# Altium PCB DSP_FPGA.PcbDoc (part 4 of 7) (continued)
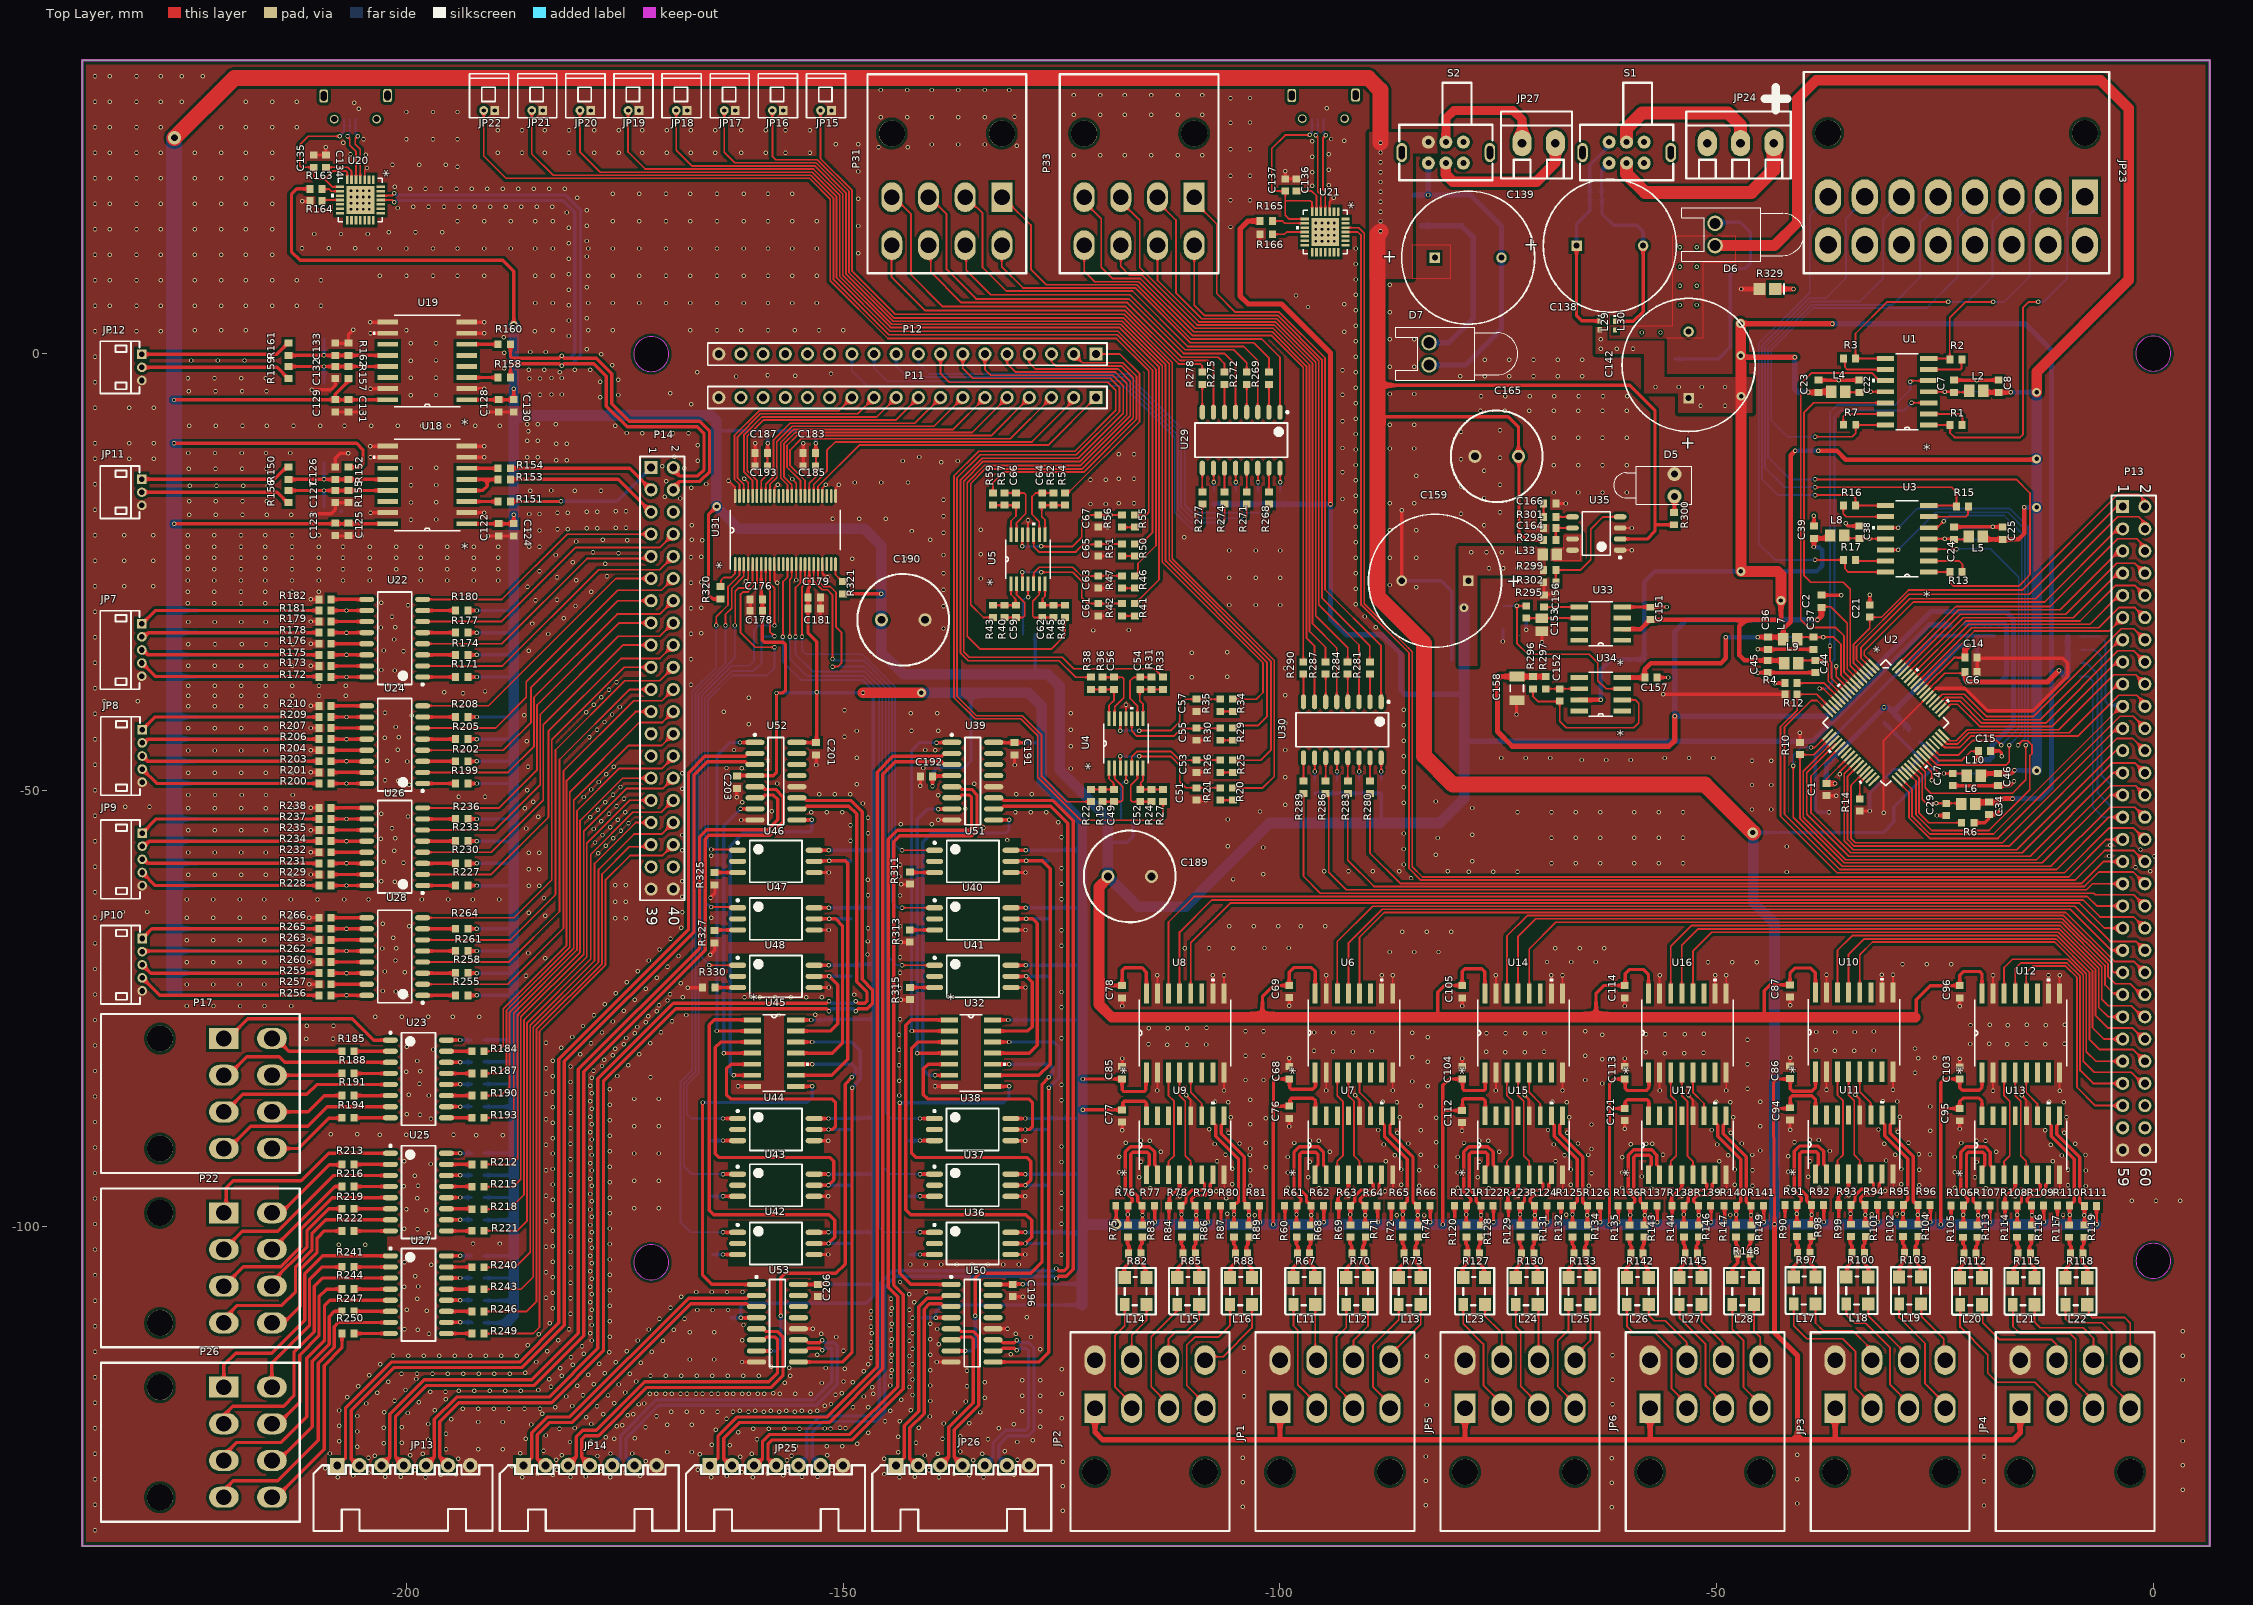
[diagram p0: Top Layer view]
## Nets (pads, with @x,y where several pads share a name; then routed paths per layer and width w, separated by ;. In a path a pad name is that pad's centre, name@x,y a point inside that pad or via, vN(x,y) a via of type N, cw(c..) or ccw(c..) an arc to the next point about the centre after c; other vN are vias at no path point) (continued)
-202.895,-52.705 -176.835,-52.705 -174.981,-52.527 -153.682,-52.525 -151.912,-52.525 -150.142,-52.525 -130.291,-52.525 -128.521,-52.525 -126.751,-52.525 -72.796,-52.502 -68.91,-52.502 -66.116,-52.502 -63.322,-52.502 -59.436,-52.502 -56.642,-52.502 -53.848,-52.502 -102.286,-52.438 -158.214,-52.419 -178.105,-52.222 -45.949,-52.197 -43.764,-52.197 -136.039,-52.13 -225.019,-52.045 -221.971,-52.045 -218.923,-52.045 -216.129,-52.045 -213.081,-52.045 -186.487,-52.045 -77.978,-52.032 -232.232,-51.867 -229.438,-51.867 -175.971,-51.841 -99.39,-51.638 -147.779,-51.512 -85.841,-51.416 -177.241,-51.359 -161.565,-51.366 -185.496,-51.308 -82.156,-51.283 -175.108,-50.978 -179.73,-50.775 -194.056,-50.749 -191.033,-50.749 -139.14,-50.585 -224.993,-50.546 -221.945,-50.546 -218.897,-50.546 -216.103,-50.546 -213.055,-50.546 -176.378,-50.495 -152.752,-50.473 -150.982,-50.473 -149.212,-50.473 -130.21,-50.473 -128.44,-50.473 -235.687,-50.013 -186.182,-50.013 -178.867,-49.911 -168.432,-49.807 -85.841,-49.646 -175.514,-49.632 -45.949,-49.403 -43.764,-49.403 -199.682,-49.352 -148.476,-49.314 -135.026,-49.266 -157.558,-49.228 -178.003,-49.047 -200.952,-48.895 -202.476,-48.844 -99.39,-48.514 -177.14,-48.184 -168.432,-48.037 -225.019,-47.981 -221.971,-47.981 -218.923,-47.981 -216.129,-47.981 -213.081,-47.981 -85.841,-47.876 -161.61,-47.488 -123.977,-47.509 -163.38,-47.445 -140.837,-47.445 -186.106,-47.32 -176.276,-47.32 -235.687,-47.092 -199.936,-46.711 -158.63,-46.624 -202.222,-46.609 -45.949,-46.609 -43.764,-46.609 -65.43,-46.533 -62.636,-46.533 -59.842,-46.533 -74.651,-46.304 -71.857,-46.304 -69.063,-46.304 -55.956,-46.304 -53.162,-46.304 -50.368,-46.304 -148.476,-46.266 -85.841,-46.106 -225.019,-45.441 -221.971,-45.441 -218.923,-45.441 -216.129,-45.441 -213.081,-45.441 -139.471,-45.428 -162.521,-45.393 -140.6,-45.393 -99.39,-45.39 -201.003,-45.352 -123.977,-44.957 -186.258,-44.374 -85.841,-44.336 -235.687,-44.171 -202.527,-43.98 -200.901,-43.929 -179.07,-43.917 -149.86,-43.866 -148.476,-43.218 -142.189,-43.205 -139.141,-43.205 -123.977,-43.071 -178.206,-43.053 -225.019,-42.901 -221.971,-42.901 -218.923,-42.901 -216.129,-42.901 -213.081,-42.901 -201.257,-42.761 -85.841,-42.566 -160.833,-42.448 -99.39,-42.266 -177.343,-42.189 -199.428,-41.44 -186.538,-41.402 -176.479,-41.326 -235.687,-41.25 -142.291,-41.173 -139.243,-41.173 -123.977,-41.185 -202.476,-41.135 -179.426,-41.084 -163.678,-41.021 -149.86,-40.818 -85.841,-40.796 -175.616,-40.462 -225.019,-40.361 -221.971,-40.361 -218.923,-40.361 -216.129,-40.361 -213.081,-40.361 -178.562,-40.221 -234.645,-39.802 -230.81,-39.802 -160.833,-39.4 -177.698,-39.357 -225.019,-39.192 -221.971,-39.192 -218.923,-39.192 -216.129,-39.192 -213.081,-39.192 -210.033,-39.192 -206.985,-39.192 -99.39,-39.141 -193.548,-38.887 -195.707,-38.76 -191.033,-38.684 -176.835,-38.494 -235.687,-38.329 -225.019,-38.024 -221.971,-38.024 -218.923,-38.024 -216.129,-38.024 -213.081,-38.024 -210.033,-38.024 -206.985,-38.024 -167.437,-37.922 -175.971,-37.63 -110.084,-37.045 -106.045,-36.994 -200.101,-36.741 -201.371,-36.284 -202.895,-36.233 -99.39,-36.017 -225.019,-35.738 -221.971,-35.738 -218.923,-35.738 -216.129,-35.738 -213.081,-35.738 -235.687,-35.408 -167.437,-35.001 -110.084,-34.251 -106.045,-34.2 -200.355,-34.099 -202.641,-33.998 -186.004,-34.011 -224.993,-33.274 -221.945,-33.274 -218.897,-33.274 -216.103,-33.274 -213.055,-33.274 -201.422,-32.741 -235.687,-32.487 -183.794,-32.106 -167.437,-32.08 -166.268,-32.004 -121.361,-31.699 -117.323,-31.648 -138.532,-31.471 -202.946,-31.369 -89.028,-31.35 -201.32,-31.318 -185.598,-30.912 -225.019,-30.734 -221.971,-30.734 -218.923,-30.734 -216.129,-30.734 -213.081,-30.734 -182.016,-30.302 -201.676,-30.15 -90.279,-30.099 -235.687,-29.566 -167.437,-29.159 -166.268,-29.083 -138.532,-28.918 -180.67,-28.905 -199.847,-28.829 -105.829,-28.791 -102.781,-28.791 -99.987,-28.791 -91.34,-28.682 -225.069,-28.575 -222.021,-28.575 -218.973,-28.575 -216.179,-28.575 -202.895,-28.524 -185.242,-28.245 -182.778,-28.194 -225.069,-27.28 -222.021,-27.28 -218.973,-27.28 -216.179,-27.28 -213.131,-27.28 -210.083,-27.28 -178.867,-27.28 -138.532,-27.032 -91.34,-26.912 -84.379,-26.746 -186.157,-26.695 -235.687,-26.645 -232.346,-26.645 -229.006,-26.645 -87.427,-26.492 -167.437,-26.238 -166.268,-26.162 -225.069,-25.984 -222.021,-25.984 -218.973,-25.984 -216.179,-25.984 -213.131,-25.984 -210.083,-25.984 -207.289,-25.984 -204.241,-25.984 -201.193,-25.984 -198.399,-25.984 -195.351,-25.984 -192.303,-25.984 -189.509,-25.984 -180.569,-25.933 -134.264,-25.756 -105.829,-25.667 -102.781,-25.667 -99.987,-25.667 -182.778,-25.629 -177.063,-25.476 -138.532,-25.146 -91.34,-25.142 -184.785,-24.917 -225.069,-24.689 -222.021,-24.689 -218.973,-24.689 -216.179,-24.689 -213.131,-24.689 -210.083,-24.689 -207.289,-24.689 -204.241,-24.689 -201.193,-24.689 -198.399,-24.689 -195.351,-24.689 -192.303,-24.689 -189.509,-24.689 -177.267,-24.079 -180.975,-23.876 -235.687,-23.724 -232.346,-23.724 -229.006,-23.724 -148.996,-23.495 -142.9,-23.495 -225.069,-23.393 -222.021,-23.393 -218.973,-23.393 -216.179,-23.393 -213.131,-23.393 -210.083,-23.393 -207.289,-23.393 -204.241,-23.393 -201.193,-23.393 -198.399,-23.393 -195.351,-23.393 -192.303,-23.393 -189.509,-23.393 -91.34,-23.372 -87.427,-23.368 -84.379,-23.368 -167.437,-23.317 -166.268,-23.241 -182.931,-23.063 -138.532,-23.063 -134.264,-22.962 -175.743,-22.86 -178.664,-22.758 -105.829,-22.543 -102.781,-22.543 -99.987,-22.543 -185.979,-22.136 -184.785,-22.136 -225.069,-22.098 -222.021,-22.098 -218.973,-22.098 -216.179,-22.098 -213.131,-22.098 -210.083,-22.098 -207.289,-22.098 -204.241,-22.098 -201.193,-22.098 -198.399,-22.098 -195.351,-22.098 -192.303,-22.098 -189.509,-22.098 -91.34,-21.602 -180.569,-21.514 -166.167,-21.387 -174.752,-21.361 -177.546,-21.311 -167.335,-21.311 -140.056,-21.311 -110.973,-21.031 -190.729,-20.879 -235.687,-20.803 -232.346,-20.803 -229.006,-20.803 -225.069,-20.803 -222.021,-20.803 -218.973,-20.803 -216.179,-20.803 -213.131,-20.803 -210.083,-20.803 -138.532,-20.511 -142.164,-20.32 -185.979,-20.25 -184.785,-20.25 -87.427,-20.244 -84.379,-20.244 -134.264,-20.168 -182.728,-20.098 -181.534,-20.098 -179.375,-19.996 -178.181,-19.996 -176.073,-19.945 -174.879,-19.945 -91.34,-19.832 -167.335,-19.66 -76.632,-19.66 -199.504,-19.025 -196.596,-18.999 -151.232,-18.923 -148.184,-18.923 -145.136,-18.923 -138.532,-18.625 -224.892,-18.466 -221.844,-18.466 -218.796,-18.466 -216.002,-18.466 -213.208,-18.466 -185.979,-18.364 -184.785,-18.364 -79.273,-18.339 -182.728,-18.212 -181.534,-18.212 -74.803,-18.161 -179.375,-18.11 -178.181,-18.11 -176.073,-18.059 -174.879,-18.059 -91.34,-18.062 -235.687,-17.882 -121.691,-17.221 -119.939,-17.221 -118.466,-17.12 -116.713,-17.12 -87.427,-17.12 -84.633,-17.12 -199.504,-17.048 -196.596,-17.022 -224.892,-16.916 -221.844,-16.916 -218.796,-16.916 -216.002,-16.916 -138.532,-16.739 -92.837,-16.65 -168.693,-16.593 -76.632,-16.535 -170.451,-16.391 -91.34,-16.292 -68.656,-15.9 -65.862,-15.9 -63.068,-15.9 -60.274,-15.9 -185.852,-15.723 -180.746,-15.723 -177.749,-15.723 -183.439,-15.672 -167.432,-15.351 -79.273,-15.215 -224.815,-15.113 -221.767,-15.113 -218.719,-15.113 -215.925,-15.113 -199.504,-15.071 -196.596,-15.045 -74.803,-15.037 -235.687,-14.961 -165.711,-14.935 -148.692,-14.757 -145.644,-14.757 -142.596,-14.757 -170.285,-14.629 -91.34,-14.522 -121.691,-14.427 -119.939,-14.427 -155.829,-14.364 -118.466,-14.326 -116.713,-14.326 -84.379,-13.995 -92.837,-13.602 -76.632,-13.411 -224.942,-13.183 -221.894,-13.183 -218.846,-13.183 -216.052,-13.183 -168.206,-13.144 -199.504,-13.094 -196.596,-13.068 -170.725,-12.915 -68.656,-12.776 -65.862,-12.776 -63.068,-12.776 -60.274,-12.776 -91.34,-12.752 -138.786,-12.421 -166.659,-12.283 -143.205,-12.294 -136.881,-12.294 -182.88,-12.224 -181.686,-12.224 -79.273,-12.09 -235.687,-12.04 -231.75,-12.04 -228.956,-12.04 -74.803,-11.913 -186.182,-11.874 -184.988,-11.874 -141.326,-11.836 -169.353,-11.796 -118.466,-11.532 -116.713,-11.532 -224.993,-11.379 -221.945,-11.379 -218.897,-11.379 -216.103,-11.379 -213.309,-11.379 -91.34,-10.982 -87.427,-10.871 -84.633,-10.871 -92.837,-10.808 -166.659,-10.513 -182.88,-10.338 -181.686,-10.338 -235.687,-10.262 -231.75,-10.262 -228.956,-10.262 -160.096,-10.249 -186.182,-9.989 -184.988,-9.989 -68.656,-9.652 -65.862,-9.652 -63.068,-9.652 -60.274,-9.652 -91.34,-9.212 -174.809,-9.093 -173.039,-9.103 -171.269,-9.103 -169.499,-9.103 -167.729,-9.103 -79.273,-8.966 -186.055,-8.89 -74.803,-8.788 -224.892,-8.28 -221.844,-8.28 -218.796,-8.28 -216.002,-8.28 -212.954,-8.28 -209.906,-8.28 -207.112,-8.28 -204.064,-8.28 -201.016,-8.28 -198.222,-8.28 -195.174,-8.28 -192.126,-8.28 -189.332,-8.28 -176.098,-8.242 -87.427,-8.128 -84.633,-8.128 -186.182,-8.103 -184.988,-8.103 -182.931,-8.103 -92.837,-7.76 -91.34,-7.442 -190.729,-6.68 -77.038,-6.528 -74.244,-6.528 -71.45,-6.528 -68.656,-6.528 -65.862,-6.528 -63.068,-6.528 -60.274,-6.528 -235.687,-6.198 -231.75,-6.198 -228.956,-6.198 -167.411,-5.791 -91.34,-5.672 -177.842,-4.998 -76.987,-4.902 -74.193,-4.902 -71.399,-4.902 -68.605,-4.902 -65.811,-4.902 -63.017,-4.902 -60.223,-4.902 -199.542,-4.763 -196.634,-4.737 -175.791,-4.747 -185.928,-4.731 -184.734,-4.731 -92.837,-4.712 -183.413,-4.68 -182.22,-4.68 -87.427,-4.623 -84.633,-4.623 -169.799,-4.521 -224.942,-4.293 -221.894,-4.293 -218.846,-4.293 -216.052,-4.293 -91.34,-3.902 -235.687,-3.277 -177.842,-3.228 -175.791,-2.977 -185.928,-2.845 -184.734,-2.845 -225.044,-2.819 -221.996,-2.819 -218.948,-2.819 -216.154,-2.819 -199.542,-2.786 -183.413,-2.794 -182.22,-2.794 -196.634,-2.76 -162.281,-2.616 -79.35,-2.591 -76.556,-2.591 -73.762,-2.591 -70.968,-2.591 -68.174,-2.591 -65.38,-2.591 -155.499,-2.54 -158.674,-2.489 -151.409,-2.286 -182.49,-2.13 -166.726,-2.134 -91.34,-2.132 -92.837,-1.918 -186.01,-1.864 -184.24,-1.864 -180.74,-1.864 -178.97,-1.864 -188.821,-1.684 -87.427,-1.499 -84.633,-1.499 -176.471,-1.342 -199.542,-0.809 -224.663,-0.787 -221.615,-0.787 -218.567,-0.787 -215.773,-0.787 -196.634,-0.783 -76.556,-0.686 -73.762,-0.686 -70.968,-0.686 -68.174,-0.686 -65.38,-0.686 -235.687,-0.356 -91.34,-0.362 -177.722,-0.091 -188.821,0.086 -185.858,0.187 -184.088,0.187 -179.391,0.5 -199.542,1.168 -196.634,1.194 -91.34,1.408 -87.427,1.626 -84.633,1.626 -188.893,1.854 -181.442,2.015 -92.659,2.515 -235.687,2.565 -233.985,2.565 -230.937,2.565 -228.143,2.565 -185.318,2.578 -200.025,2.667 -183.261,2.667 -179.197,2.667 -176.403,2.667 -167.513,2.667 -164.465,2.667 -161.671,2.667 -158.623,2.667 -155.575,2.667 -152.781,2.667 -149.987,2.667 -224.282,2.692 -221.234,2.692 -218.44,2.692 -91.34,3.178 -181.442,3.785 -179.391,4.04 -87.427,4.75 -91.34,4.948 -96.787,5.334 -235.687,5.486 -233.985,5.486 -230.937,5.486 -228.143,5.486 -224.282,5.486 -221.234,5.486 -218.44,5.486 -215.392,5.486 -212.598,5.486 -209.804,5.486 -181.442,5.555 -92.659,5.639 -185.293,5.791 -183.261,5.791 -179.197,5.791 -176.403,5.791 -173.355,5.791 -170.307,5.791 -167.513,5.791 -164.465,5.791 -161.417,5.791 -158.623,5.791 -155.829,5.791 -153.035,5.791 -98.171,6.655 -91.34,6.718 -181.442,7.325 -179.391,7.58 -87.427,7.874 -235.687,8.407 -233.985,8.407 -230.937,8.407 -228.143,8.407 -224.282,8.407 -221.234,8.407 -218.44,8.407 -215.392,8.407 -212.598,8.407 -209.804,8.407 -91.34,8.488 -203.073,8.915 -200.025,8.915 -196.977,8.915 -194.183,8.915 -191.135,8.915 -185.293,8.915 -183.261,8.915 -179.197,8.915 -176.403,8.915 -173.355,8.915 -170.307,8.915 -167.513,8.915 -164.465,8.915 -161.417,8.915 -158.623,8.915 -155.829,8.915 -153.035,8.915 -181.442,9.095 -91.34,10.258 -181.442,10.865 -179.391,11.12 -235.687,11.328 -233.985,11.328 -230.937,11.328 -228.143,11.328 -224.282,11.328 -221.234,11.328 -218.44,11.328 -215.392,11.328 -148.311,11.481 -203.073,12.04 -200.025,12.04 -196.977,12.04 -194.183,12.04 -191.135,12.04 -188.087,12.04 -185.293,12.04 -183.261,12.04 -179.197,12.04 -176.403,12.04 -173.355,12.04 -170.307,12.04 -167.513,12.04 -164.465,12.04 -161.417,12.04 -158.623,12.04 -155.829,12.04 -153.035,12.04 -91.34,12.028 -211.988,12.065 -208.94,12.065 -205.892,12.065 -181.442,12.635 -95.885,12.856 -95.185,12.856 -94.485,12.856 -93.785,12.856 -179.391,12.89 -95.885,13.556 -95.185,13.556 -94.485,13.556 -93.785,13.556 -210.566,13.691 -207.518,13.691 -204.47,13.691 -202.032,13.894 -198.984,13.894 -195.936,13.894 -235.687,14.249 -233.985,14.249 -230.937,14.249 -228.143,14.249 -224.282,14.249 -221.234,14.249 -218.44,14.249 -215.392,14.249 -95.885,14.256 -95.185,14.256 -94.485,14.256 -93.785,14.256 -181.442,14.405 -105.664,14.503 -148.311,14.605 -179.391,14.66 -95.885,14.956 -95.185,14.956 -94.485,14.956 -93.785,14.956 -194.183,15.164 -191.135,15.164 -188.087,15.164 -185.293,15.164 -183.261,15.164 -176.403,15.164 -173.355,15.164 -170.307,15.164 -167.513,15.164 -164.465,15.164 -161.417,15.164 -158.623,15.164 -155.829,15.164 -153.035,15.164 -181.688,16.158 -179.391,16.43 -206.375,16.526 -205.675,16.526 -204.975,16.526 -204.275,16.526 -201.026,16.671 -199.262,16.814 -197.492,16.814 -195.722,16.814 -193.952,16.814 -192.182,16.814 -190.412,16.814 -188.642,16.814 -186.872,16.814 -185.102,16.814 -183.332,16.814 -235.687,17.17 -233.985,17.17 -230.937,17.17 -228.143,17.17 -224.282,17.17 -221.234,17.17 -218.44,17.17 -215.392,17.17 -206.375,17.226 -205.675,17.226 -204.975,17.226 -204.275,17.226 -105.664,17.551 -103.429,17.577 -148.311,17.729 -180.465,17.836 -206.375,17.926 -205.675,17.926 -204.975,17.926 -204.275,17.926 -176.403,18.288 -173.355,18.288 -170.307,18.288 -167.513,18.288 -164.465,18.288 -161.417,18.288 -158.623,18.288 -155.829,18.288 -206.375,18.626 -205.675,18.626 -204.975,18.626 -204.275,18.626 -199.606,18.865 -197.836,18.865 -196.066,18.865 -194.296,18.865 -192.526,18.865 -190.756,18.865 -188.986,18.865 -187.216,18.865 -185.446,18.865 -183.676,18.865 -181.906,18.865 -201.36,19.102 -96.291,19.241 -94.436,19.282 -235.687,20.091 -233.985,20.091 -230.937,20.091 -228.143,20.091 -224.282,20.091 -221.234,20.091 -218.44,20.091 -215.392,20.091 -105.664,20.345 -103.429,20.371 -96.288,20.778 -148.311,20.853 -94.436,21.052 -194.183,21.412 -201.625,21.615 -198.577,21.615 -195.529,21.615 -96.288,22.548 -123.634,22.72 -120.587,22.72 -117.792,22.72 -114.745,22.72 -111.697,22.72 -108.902,22.72 -204.684,22.776 -206.432,22.845 -94.436,22.822 -235.687,23.012 -233.985,23.012 -230.937,23.012 -228.143,23.012 -224.282,23.012 -221.234,23.012 -218.44,23.012 -215.392,23.012 -189.586,23.012 -186.792,23.012 -184.201,23.012 -181.407,23.012 -178.511,23.012 -175.717,23.012 -173.025,23.012 -170.231,23.012 -167.462,23.012 -164.668,23.012 -161.696,23.012 -158.902,23.012 -156.616,23.012 -153.822,23.012 -105.664,23.393 -103.429,23.419 -145.974,23.635 -142.621,23.647 -130.137,23.8 -139.891,23.939 -136.843,23.939 -133.794,23.939 -150.851,23.978 -148.311,23.978 -207.251,24.13 -96.288,24.318 -92.659,24.384 -204.943,24.527 -200.025,24.536 -196.977,24.536 -194.183,24.536 -94.151,24.569 -189.586,25.578 -186.792,25.578 -184.201,25.578 -181.407,25.578 -178.511,25.578 -175.717,25.578 -173.025,25.578 -170.231,25.578 -167.462,25.578 -164.668,25.578 -161.696,25.578 -158.902,25.578 -156.616,25.578 -153.822,25.578 -235.687,25.933 -233.985,25.933 -230.937,25.933 -228.143,25.933 -221.234,25.933 -218.44,25.933 -215.392,25.933 -212.598,25.933 -105.664,26.441 -103.429,26.467 -145.732,27.064 -142.684,27.064 -139.891,27.064 -136.843,27.064 -133.794,27.064 -130.404,27.14 -123.634,27.368 -120.587,27.368 -117.792,27.368 -114.745,27.368 -111.697,27.368 -108.902,27.368 -200.025,27.661 -196.977,27.661 -194.183,27.661 -205.47,28.026 -94.625,28.073 -206.019,28.727 -235.687,28.854 -233.985,28.854 -230.937,28.854 -228.143,28.854 -225.755,28.854 -218.44,28.854 -215.392,28.854 -212.598,28.854 -105.664,29.235 -103.429,29.261 -123.634,29.604 -120.587,29.604 -117.792,29.604 -114.745,29.604 -111.697,29.604 -108.902,29.604 -145.732,30.188 -142.684,30.188 -139.891,30.188 -136.843,30.188 -133.794,30.188 -131,30.188 -235.687,31.775 -233.985,31.775 -230.937,31.775 -228.143,31.775 -225.755,31.775 -223.368,31.775
DSP_ADC_01: P12.7 R22.2 | length 93.1
  Top Layer w0.203: P12.7@-136.322,-0.051 -136.322,-1.676 -135.165,-2.833 -119.443,-2.833 -118.364,-3.912 -118.364,-6.629 -123.317,-11.582 -134.341,-11.582 -136.982,-14.224 -136.982,-39.235 -134.752,-41.465 -129.52,-41.465 -127.292,-43.693 -127.292,-48.411 -124.395,-51.308 R22.2@-121.641,-51.308
DSP_ADC_02: P12.8 R27.2 | length 106.8
  Top Layer w0.203: P12.8@-138.862,-0.051 -138.862,-2.311 -137.892,-3.281 -119.706,-3.281 -118.796,-4.191 -118.796,-6.502 -123.469,-11.176 -134.493,-11.176 -137.338,-14.021 -137.338,-39.383 -134.899,-41.821 -129.667,-41.821 -127.737,-43.752 -127.737,-48.525 -122.834,-53.428 -113.868,-53.428 -113.386,-52.945 R27.2@-113.386,-51.308
DSP_ADC_03: P12.5 R33.2 | length 84.7
  Top Layer w0.203: P12.5@-131.242,-0.051 -131.242,-1.143 -130.263,-2.122 -118.833,-2.122 -117.551,-3.404 -117.551,-7.036 -122.86,-12.344 -133.965,-12.344 -136.22,-14.6 -136.22,-34.125 -135.587,-34.759 -124.943,-34.759 -123.622,-36.079 -114.412,-36.079 -113.436,-37.056 R33.2@-113.386,-37.056
DSP_ADC_04: P12.6 R38.2 | length 79.2
  Top Layer w0.203: P12.6@-133.782,-0.051 -133.782,-1.829 -133.133,-2.477 -119.163,-2.477 -117.958,-3.683 -117.958,-6.827 -123.119,-11.989 -134.112,-11.989 -136.576,-14.453 -136.576,-34.29 -135.701,-35.165 -125.298,-35.165 -123.407,-37.056 R38.2@-121.641,-37.056
DSP_ADC_05: P12.3 R43.2 | length 54.3
  Top Layer w0.203: R43.2@-132.867,-30.215 -133.945,-30.215 -135.407,-28.753 -135.407,-14.879 -133.736,-13.208 -122.631,-13.208 -116.789,-7.366 -116.789,-2.776 -118.155,-1.41 -125.666,-1.41 -126.162,-0.914 P12.3@-126.162,-0.051
DSP_ADC_06: P12.4 R48.2 | length 71.3
  Top Layer w0.203: P12.4@-128.702,-0.051 -128.702,-1.067 -128.003,-1.766 -118.528,-1.766 -117.145,-3.15 -117.145,-7.132 -122.814,-12.802 -133.833,-12.802 -135.814,-14.783 -135.814,-32.36 -134.341,-33.833 -126.187,-33.833 -124.612,-32.258 R48.2@-124.612,-30.215
DSP_ADC_07: P12.1 R54.2 | length 23.3
  Top Layer w0.203: R54.2@-124.612,-15.962 -124.268,-15.962 -116.078,-7.772 -116.078,-2.311 -118.339,-0.051 P12.1@-121.082,-0.051
DSP_ADC_08: P12.2 R59.2 | length 33.8
  Top Layer w0.203: R59.2@-132.867,-15.962 -132.867,-14.808 -131.623,-13.564 -122.484,-13.564 -116.434,-7.513 -116.434,-2.591 -117.983,-1.041 -119.864,-1.041 -119.878,-1.055 -122.618,-1.055 P12.2@-123.622,-0.051
DSP_GPIO_5V_IN1_1_G1: P17.1 U23.1 | length 21
  Top Layer w0.381: P17.1@-220.929,-78.426 -220.429,-78.426 -218.178,-76.175 -206.223,-76.175 -203.784,-78.613 U23.1@-201.853,-78.613
DSP_GPIO_5V_IN1_1_G2: P22.1 U25.1 | length 23.4
  Top Layer w0.381: P22.1@-220.929,-98.386 -220.675,-98.132 -220.675,-95.529 -219.862,-94.717 -212.09,-94.717 -208.94,-91.567 U25.1@-201.853,-91.567
DSP_GPIO_5V_IN1_1_G3: P26.1 U27.1 | length 29.9
  Top Layer w0.381: P26.1@-220.929,-118.346 -220.929,-115.799 -219.583,-114.452 -215.443,-114.452 -211.658,-110.668 -211.658,-105.385 -209.588,-103.315 U27.1@-201.853,-103.315
DSP_GPIO_5V_IN1_1_G4: P31.1 U29.1 | length 48.3
  Top Layer w0.203: P31.1@-131.207,17.907 -131.207,17.407 -128.524,14.724 -128.524,9.652 -126.746,7.874 -116.408,7.874 -110.211,1.676 -102.108,1.676 -100,-0.432 U29.1@-100,-6.706
DSP_GPIO_5V_IN1_2_G1: P17.2 R185.2 | length 8.6
  Top Layer w0.381: P17.2@-215.429,-78.426 -214.929,-78.426 -213.472,-79.883 R185.2@-207.405,-79.883
DSP_GPIO_5V_IN1_2_G2: P22.2 R213.2 | length 10.4
  Top Layer w0.381: P22.2@-215.429,-98.386 -214.337,-98.386 -208.838,-92.887 -207.405,-92.887 R213.2@-207.405,-92.837
DSP_GPIO_5V_IN1_2_G3: P26.2 R241.2 | length 18.4
  Top Layer w0.381: P26.2@-215.429,-118.346 -215.429,-115.633 -211.125,-111.328 -211.125,-106.045 -209.665,-104.585 R241.2@-207.405,-104.585
DSP_GPIO_5V_IN1_2_G4: P31.2 R269.2 | length 39.3
  Top Layer w0.203: P31.2@-131.207,12.407 -131.864,11.75 -131.864,9.957 -129.426,7.518 -116.561,7.518 -110.287,1.245 -102.997,1.245 -101.27,-0.483 R269.2@-101.27,-2.119
DSP_GPIO_5V_IN2_1_G1: P17.3 U23.3 | length 20.2
  Top Layer w0.381: P17.3@-220.929,-82.626 -220.429,-82.626 -218.321,-80.518 -214.579,-80.518 -213.944,-81.153 U23.3@-201.853,-81.153
DSP_GPIO_5V_IN2_1_G2: P22.3 U25.3 | length 22.6
  Top Layer w0.381: P22.3@-220.929,-102.586 -218.825,-100.482 -214.732,-100.482 -208.356,-94.107 U25.3@-201.853,-94.107
DSP_GPIO_5V_IN2_1_G3: P26.3 U27.3 | length 32.6
  Top Layer w0.381: P26.3@-220.929,-122.546 -220.929,-121.564 -219.913,-120.548 -214.097,-120.548 -212.903,-119.355 -212.903,-114.325 -210.572,-111.995 -210.572,-106.788 -209.639,-105.855 U27.3@-201.853,-105.855
DSP_GPIO_5V_IN2_1_G4: P31.3 U29.3 | length 50.5
  Top Layer w0.203: P31.3@-135.407,17.907 -135.407,17.407 -134.048,16.048 -134.048,9.855 -131.356,7.163 -116.891,7.163 -110.541,0.813 -104.14,0.813 -102.54,-0.787 U29.3@-102.54,-6.706
DSP_GPIO_5V_IN2_2_G1: P17.4 R188.2 | length 8.1
  Top Layer w0.381: P17.4@-215.429,-82.626 -207.608,-82.626 R188.2@-207.405,-82.423
DSP_GPIO_5V_IN2_2_G2: P22.4 R216.2 | length 11
  Top Layer w0.381: P22.4@-215.429,-102.586 -208.22,-95.377 R216.2@-207.405,-95.377
DSP_GPIO_5V_IN2_2_G3: P26.4 R244.2 | length 20.2
  Top Layer w0.381: P26.4@-215.429,-122.546 -214.697,-122.546 -212.229,-120.078 -212.229,-114.668 -210.039,-112.477 -210.039,-108.007 -209.157,-107.125 R244.2@-207.405,-107.125
DSP_GPIO_5V_IN2_2_G4: P31.4 R272.2 | length 40.6
  Top Layer w0.203: P31.4@-135.407,12.407 -135.928,11.886 -135.928,9.55 -133.109,6.731 -117.17,6.731 -110.871,0.432 -105.308,0.432 -103.81,-1.067 R272.2@-103.81,-2.119
DSP_GPIO_5V_IN3_1_G1: P17.5 U23.5 | length 20.4
  Top Layer w0.381: P17.5@-220.929,-86.826 -220.786,-86.826 -218.77,-84.811 -211.428,-84.811 -210.31,-83.693 U23.5@-201.853,-83.693
DSP_GPIO_5V_IN3_1_G2: P22.5 U25.5 | length 24.4
  Top Layer w0.381: P22.5@-220.929,-106.786 -218.69,-104.546 -214.427,-104.546 -212.09,-102.21 -212.09,-100.228 -208.509,-96.647 U25.5@-201.853,-96.647
DSP_GPIO_5V_IN3_1_G3: P26.5 U27.5 | length 33.3
  Top Layer w0.381: P26.5@-220.929,-126.746 -220.929,-126.111 -219.507,-124.689 -214.427,-124.689 -211.455,-121.717 -211.455,-115.037 -209.398,-112.979 -209.398,-108.991 -208.801,-108.395 U27.5@-201.853,-108.395
DSP_GPIO_5V_IN3_1_G4: P31.5 U29.5 | length 51.9
  Top Layer w0.203: P31.5@-139.607,17.907 -139.607,17.407 -138.176,15.976 -138.176,9.639 -134.798,6.261 -117.284,6.261 -111.049,0.025 -106.375,0.025 -105.08,-1.27 U29.5@-105.08,-6.706
DSP_GPIO_5V_IN3_2_G1: P17.6 R191.2 | length 8.8
  Top Layer w0.381: P17.6@-215.429,-86.826 -211.286,-86.826 -209.423,-84.963 R191.2@-207.405,-84.963
DSP_GPIO_5V_IN3_2_G2: P22.6 R219.2 | length 12.7
  Top Layer w0.381: P22.6@-215.429,-106.401 -215.429,-106.303 -211.404,-102.278 -211.404,-100.406 -208.915,-97.917 R219.2@-207.405,-97.917
DSP_GPIO_5V_IN3_2_G3: P26.6 R247.2 | length 21.3
  Top Layer w0.381: P26.6@-215.429,-126.746 -214.706,-126.746 -210.82,-122.86 -210.82,-115.367 -208.864,-113.411 -208.864,-110.261 -208.268,-109.665 R247.2@-207.405,-109.665
DSP_GPIO_5V_IN3_2_G4: P31.6 R275.2 | length 42.2
  Top Layer w0.203: P31.6@-139.607,12.407 -139.992,12.022 -139.992,9.36 -136.474,5.842 -117.475,5.842 -111.227,-0.406 -107.086,-0.406 -106.35,-1.143 R275.2@-106.35,-2.119
DSP_GPIO_5V_IN4_1_G1: P17.7 U23.7 | length 21.1
  Top Layer w0.381: P17.7@-220.929,-91.026 -220.429,-91.026 -217.86,-88.457 -211.317,-88.457 -209.093,-86.233 U23.7@-201.853,-86.233
DSP_GPIO_5V_IN4_1_G2: P22.7 U25.7 | length 27
  Top Layer w0.381: P22.7@-220.929,-110.986 -220.929,-110.515 -219.405,-108.991 -214.3,-108.991 -212.725,-107.417 -212.725,-104.546 -210.845,-102.667 -210.845,-100.787 -209.245,-99.187 U25.7@-201.853,-99.187
DSP_GPIO_5V_IN4_1_G3: P26.7 U27.7 | length 34.4
  Top Layer w0.381: P26.7@-220.929,-130.946 -220.929,-130.15 -219.837,-129.057 -214.757,-129.057 -210.109,-124.409 -210.109,-115.595 -208.28,-113.767 -208.28,-111.404 -207.81,-110.935 U27.7@-201.853,-110.935
DSP_GPIO_5V_IN4_1_G4: P31.7 U29.7 | length 53.8
  Top Layer w0.203: P31.7@-143.807,17.907 -143.807,17.557 -142.265,16.015 -142.265,9.055 -138.595,5.385 -117.653,5.385 -111.481,-0.787 -108.229,-0.787 -107.62,-1.397 U29.7@-107.62,-6.706
DSP_GPIO_5V_IN4_2_G1: P17.8 R194.2 | length 9.5
  Top Layer w0.381: P17.8@-215.429,-91.026 -212.413,-91.026 -208.939,-87.553 -207.405,-87.553 R194.2@-207.405,-87.503
DSP_GPIO_5V_IN4_2_G2: P22.8 R222.2 | length 15.8
  Top Layer w0.381: P22.8@-215.429,-110.986 -214.085,-110.986 -212.192,-109.093 -212.192,-104.826 -210.261,-102.895 -210.261,-101.295 -209.423,-100.457 R222.2@-207.405,-100.457
DSP_GPIO_5V_IN4_2_G3: P26.8 R250.2 | length 22.3
  Top Layer w0.381: P26.8@-215.429,-130.946 -214.929,-130.946 -209.423,-125.44 -209.423,-115.875 -207.405,-113.857 R250.2@-207.405,-112.217
DSP_GPIO_5V_IN4_2_G4: P31.8 R278.2 | length 44.4
  Top Layer w0.203: P31.8@-143.807,12.407 -144.475,11.739 -144.475,8.763 -140.64,4.928 -117.729,4.928 -111.613,-1.189 -109.113,-1.189 -108.89,-1.412 R278.2@-108.89,-2.119
DSP_GPIO_5V_OUT1_G1: JP7.4 R172.2 | length 20.9
  Top Layer w0.381: JP7.4@-230.28,-35.436 -228.732,-36.983 -210.047,-36.983 R172.2@-210.047,-37.033
DSP_GPIO_5V_OUT1_G2: JP8.4 R200.2 | length 21
  Top Layer w0.381: JP8.4@-230.28,-47.576 -228.63,-49.225 R200.2@-210.047,-49.225 R200.2@-210.047,-49.175
DSP_GPIO_5V_OUT1_G3: JP9.4 R228.2 | length 20.9
  Top Layer w0.381: JP9.4@-230.276,-59.412 -228.779,-60.909 R228.2@-210.047,-60.909 R228.2@-210.047,-60.859
DSP_GPIO_5V_OUT1_G4: JP10.4 R256.2 | length 21.1
  Top Layer w0.381: JP10.4@-230.28,-71.477 -228.274,-73.482 R256.2@-210.047,-73.482 ; R256.2@-210.222,-73.482 R256.2@-210.222,-73.432
DSP_GPIO_5V_OUT2_G1: JP7.3 R175.2 | length 20.5
  Top Layer w0.381: JP7.3@-230.28,-33.936 -230.186,-33.936 -229.628,-34.493 -229.083,-34.493 R175.2@-210.047,-34.493
DSP_GPIO_5V_OUT2_G2: JP8.3 R203.2 | length 20.5
  Top Layer w0.381: JP8.3@-230.28,-46.076 -230.239,-46.076 -229.655,-46.66 -210.073,-46.66 R203.2@-210.047,-46.685
DSP_GPIO_5V_OUT2_G3: JP9.3 R231.2 | length 20.4
  Top Layer w0.381: JP9.3@-230.276,-57.912 -230.082,-57.912 -229.625,-58.369 R231.2@-210.047,-58.369
DSP_GPIO_5V_OUT2_G4: JP10.3 R259.2 | length 20.6
  Top Layer w0.381: JP10.3@-230.28,-69.977 -230.263,-69.977 -229.298,-70.942 R259.2@-210.047,-70.942
DSP_GPIO_5V_OUT3_G1: JP7.2 R178.2 | length 20.4
  Top Layer w0.381: JP7.2@-230.28,-32.436 -230.037,-32.436 -229.554,-31.953 -229.43,-31.953 R178.2@-210.047,-31.953
DSP_GPIO_5V_OUT3_G2: JP8.2 R206.2 | length 20.4
  Top Layer w0.381: JP8.2@-230.28,-44.576 -230.037,-44.576 -229.607,-44.145 -229.514,-44.145 R206.2@-210.047,-44.145
DSP_GPIO_5V_OUT3_G3: JP9.2 R234.2 | length 20.5
  Top Layer w0.381: JP9.2@-230.276,-56.158 -230.16,-56.274 -229.944,-56.274 -229.499,-55.829 R234.2@-210.047,-55.829
DSP_GPIO_5V_OUT3_G4: JP10.2 R262.2 | length 20.3
  Top Layer w0.381: JP10.2@-230.28,-68.477 -230.205,-68.402 R262.2@-210.047,-68.402
DSP_GPIO_5V_OUT4_G1: JP7.1 R181.2 | length 20.9
  Top Layer w0.381: JP7.1@-230.28,-30.936 -228.757,-29.413 R181.2@-210.047,-29.413
DSP_GPIO_5V_OUT4_G2: JP8.1 R209.2 | length 20.8
  Top Layer w0.381: JP8.1@-230.28,-43.076 -228.809,-41.605 R209.2@-210.047,-41.605
DSP_GPIO_5V_OUT4_G3: JP9.1 R237.2 | length 20.9
  Top Layer w0.381: JP9.1@-230.276,-54.912 -228.654,-53.289 R237.2@-210.047,-53.289
DSP_GPIO_5V_OUT4_G4: JP10.1 R265.2 | length 20.7
  Top Layer w0.381: JP10.1@-230.28,-66.977 -229.165,-65.862 R265.2@-210.047,-65.862
DSP_GPIO_IN1_G1: P14.23 R184.1 | length 48.7
  Top Layer w0.203: R184.1@-191.121,-79.883 -189.586,-79.883 -188.951,-79.248 -188.951,-75.032 -181.686,-67.767 -181.686,-48.895 -173.787,-40.996 P14.23@-172.009,-40.996
DSP_GPIO_IN1_G2: P14.29 R212.1 | length 72.4
  Top Layer w0.203: R212.1@-191.121,-92.837 -187.985,-92.837 -187.282,-92.134 ; -187.175,-75.699 -187.279,-75.803 -187.279,-92.13 -187.282,-92.134 ; P14.29@-172.009,-48.616 -175.285,-48.616 -180.137,-53.467 -180.137,-68.529 -187.3,-75.692 -187.282,-92.134
DSP_GPIO_IN1_G3: P14.33 R240.1 | length 62
  Top Layer w0.203: R240.1@-191.121,-104.623 -187.579,-104.623 -185.856,-102.9 -185.856,-76.89 -178.486,-69.52 -178.486,-58.395 -173.787,-53.696 P14.33@-172.009,-53.696
DSP_GPIO_IN1_G4: P12.9 R268.1 | length 54
  Top Layer w0.203: v1(-101.473,-18.212) -101.27,-18.009 R268.1@-101.27,-17.235
  Bottom Layer w0.203: P12.9@-141.402,-0.051 -141.402,-1.067 -140.135,-2.334 -117.503,-2.334 -110.896,-8.941 -110.896,-17.348 -110.033,-18.212 v1(-101.473,-18.212)
DSP_GPIO_IN2_G1: P14.24 R187.1 | length 53
  Top Layer w0.203: R187.1@-191.121,-82.423 -189.382,-82.423 -188.57,-81.61 -188.57,-75.209 -181.331,-67.97 -181.331,-50.216 -173.355,-42.24 -170.713,-42.24 P14.24@-169.469,-40.996